# KiCad board hermod-left.kicad_pcb (continued)
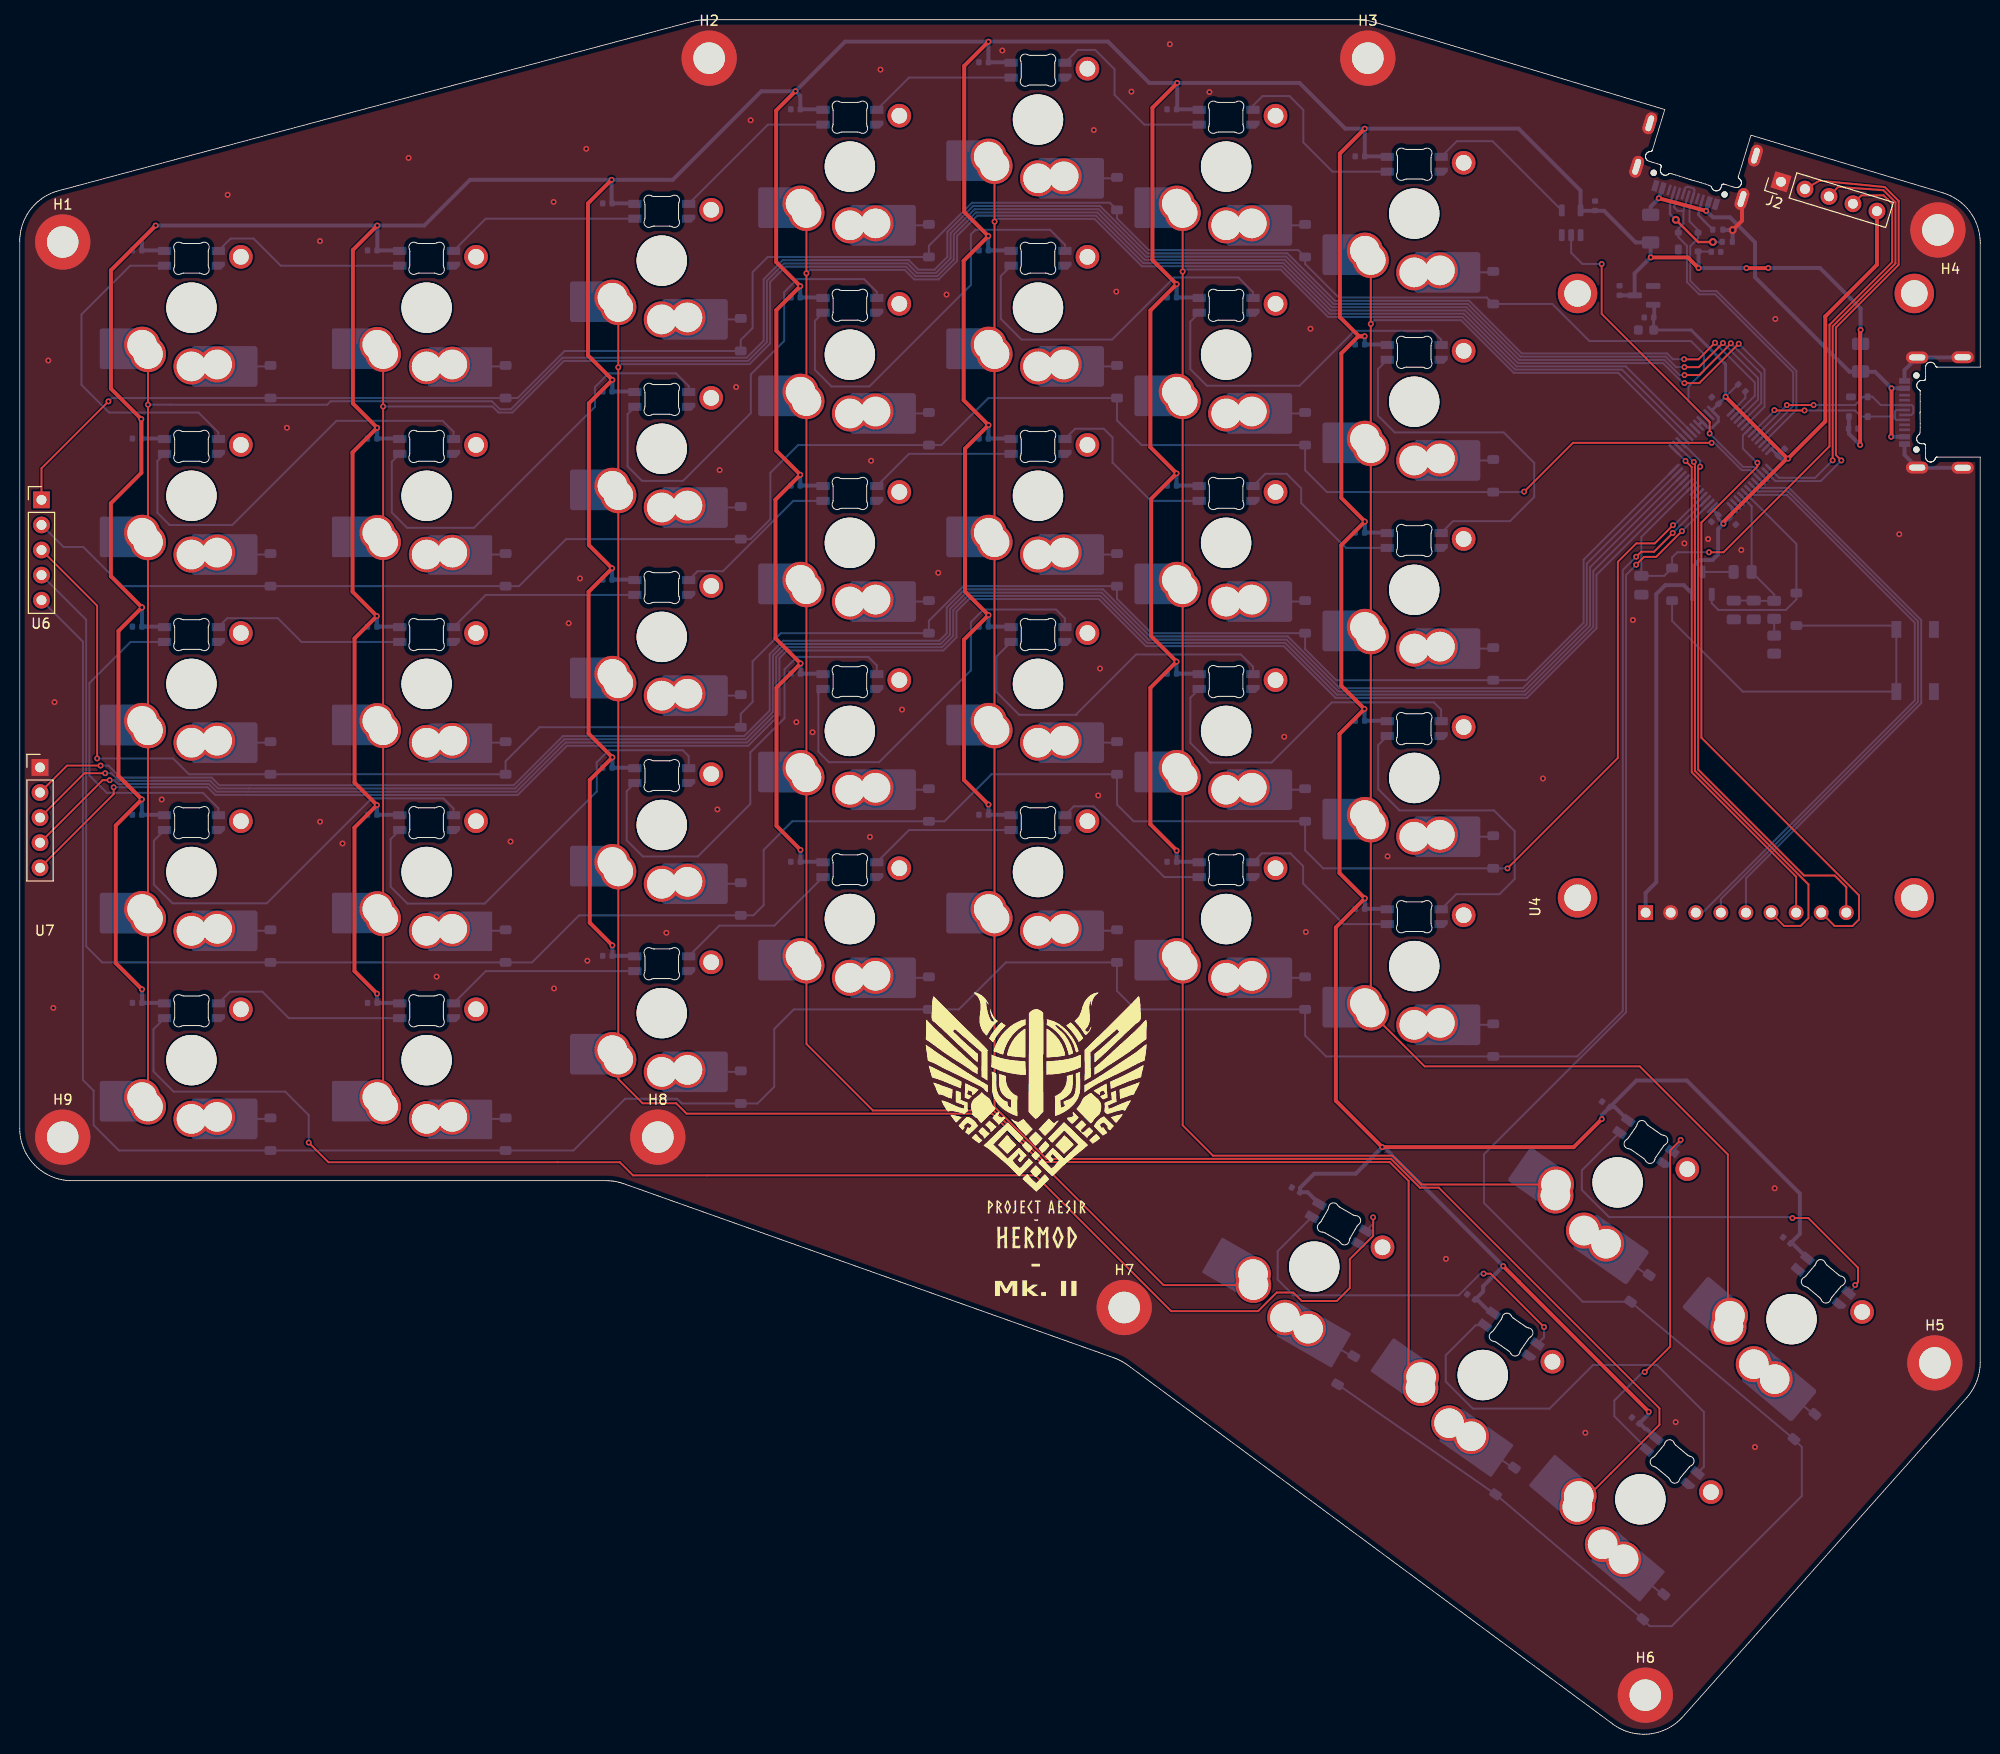
[diagram p0: board, top side]
## Footprints (pads in the part's own frame, mm; a bottom-side part is the same pattern mirrored in y, then rotated) (continued)

## Nets
+3V3: C101.1 C102.1 C103.1 C104.1 C105.1 C107.1 J2.5 Q3.2 R6.1 U1.1 U1.20 U1.21 U1.24 U1.36 U1.48 U3.2 U4.1
+5V: C1.1 C2.1 C3.1 C4.1 C5.1 C6.1 C7.1 C8.1 C9.1 C10.1 C11.1 C12.1 C13.1 C14.1 C15.1 C16.1 C17.1 C18.1 C19.1 C20.1 C21.1 C22.1 C23.1 C24.1 C25.1 C26.1 C27.1 C28.1 C29.1 C30.1 C31.1 C32.1 C33.1 C34.1 C35.1 C36.1 C37.1 C38.1 C39.1 C40.1 C55.1 C56.1 C106.1 C108.1 F1.2 F2.2 LED1.1 LED2.1 LED3.1 LED4.1 LED5.1 LED6.1 LED7.1 LED8.1 LED9.1 LED10.1 LED11.1 LED12.1 LED13.1 LED14.1 LED15.1 LED16.1 LED17.1 LED18.1 LED19.1 LED20.1 LED21.1 LED22.1 LED23.1 LED24.1 LED25.1 LED26.1 LED27.1 LED28.1 LED29.1 LED30.1 LED31.1 LED32.1 LED33.1 LED34.1 LED35.1 LED36.1 LED37.1 LED38.1 LED39.1 LED40.1 U2.4 U3.3 U5.4 U8.5
GND: C1.2 C2.2 C3.2 C4.2 C5.2 C6.2 C7.2 C8.2 C9.2 C10.2 C11.2 C12.2 C13.2 C14.2 C15.2 C16.2 C17.2 C18.2 C19.2 C20.2 C21.2 C22.2 C23.2 C24.2 C25.2 C26.2 C27.2 C28.2 C29.2 C30.2 C31.2 C32.2 C33.2 C34.2 C35.2 C36.2 C37.2 C38.2 C39.2 C40.2 C41.1 C42.1 C43.1 C55.2 C56.2 C101.2 C102.2 C103.2 C104.2 C105.2 C106.2 C107.2 C108.2 H1.1 H2.1 H3.1 H4.1 H5.1 H6.1 H7.1 H8.1 H9.1 J1.A1 J1.A12 J1.B1 J1.B12 J1.S1 J2.1 J3.A1 J3.A12 J3.B1 J3.B12 J3.S1 LED1.4 LED2.4 LED3.4 LED4.4 LED5.4 LED6.4 LED7.4 LED8.4 LED9.4 LED10.4 LED11.4 LED12.4 LED13.4 LED14.4 LED15.4 LED16.4 LED17.4 LED18.4 LED19.4 LED20.4 LED21.4 LED22.4 LED23.4 LED24.4 LED25.4 LED26.4 LED27.4 LED28.4 LED29.4 LED30.4 LED31.4 LED32.4 LED33.4 LED34.4 LED35.4 LED36.4 LED37.4 LED38.4 LED39.4 LED40.4 R1.1 R2.2 R9.2 RESET1.1 U1.19 U1.23 U1.35 U1.47 U2.1 U3.1 U4.2 U5.1 U7.1 U8.1 U8.3
VBUS: F1.1 F2.1 J1.A4 J1.A9 J1.B4 J1.B9 J3.A4 J3.A9 J3.B4 J3.B9
BOOT0: C41.2 C42.2 R7.2 R8.2 U1.45
BOOT0_CHRG: D40.2 Q3.1 U1.44
col0: CH1.1 CH8.1 CH15.1 CH22.1 CH29.1 U1.26
col1: CH2.1 CH9.1 CH16.1 CH23.1 CH30.1 U1.27
col2: CH3.1 CH10.1 CH17.1 CH24.1 CH31.1 CH36.1 U1.28
col3: CH4.1 CH11.1 CH18.1 CH25.1 CH32.1 CH37.1 U1.29
col4: CH5.1 CH12.1 CH19.1 CH26.1 CH33.1 CH38.1 U1.18
col5: CH6.1 CH13.1 CH20.1 CH27.1 CH34.1 CH39.1 U1.17
col6: CH7.1 CH14.1 CH21.1 CH28.1 CH35.1 CH40.1 U1.16
col7: U1.8 U7.5
col8: U1.9 U7.4
col9: U1.10 U7.3
col10: U1.11 U7.2
D+: J1.A6 J1.B6 U1.34 U2.3
D-: J1.A7 J1.B7 U1.33 U2.2
DOut1: LED1.2 LED8.3
DOut2: LED14.2 LED21.3
DOut3: LED15.2 LED22.3
DOut4: LED28.2 LED35.3
DOut5: LED29.2 LED36.3
HAND_PIN: R6.2 U1.25
LCD_BL_PWM: U1.30 U4.8
LCD_CS: U1.43 U4.3
LCD_DC: U1.41 U4.5
LCD_MISO: U1.15 U4.9
LCD_MOSI: U1.14 U4.6
LCD_RST: U1.42 U4.4
LCD_SCK: U1.13 U4.7
NRST: C43.2 D41.2 J2.4 U1.7
RGB3.3: U1.39 U8.2
RGB5v: LED7.3 U8.4
row0: D1.1 D2.1 D3.1 D4.1 D5.1 D6.1 D7.1 U1.22 U6.1
row1: D8.1 D9.1 D10.1 D11.1 D12.1 D13.1 D14.1 U1.40 U6.2
row2: D15.1 D16.1 D17.1 D18.1 D19.1 D20.1 D21.1 U1.12 U6.3
row3: D22.1 D23.1 D24.1 D25.1 D26.1 D27.1 D28.1 U1.4 U6.4
row4: D29.1 D30.1 D31.1 D32.1 D33.1 D34.1 D35.1 U1.3 U6.5
row5: D36.1 D37.1 D38.1 D39.1 D42.1 U1.2
SplitSerial-RX: J3.A7 J3.B7 U1.32 U5.2
SplitSerial-TX: J3.A6 J3.B6 U1.31 U5.3
SWCLK: J2.2 U1.38
SWD: J2.3 U1.37
Net-(D1-A): CH1.2 D1.2
Net-(D2-A): CH2.2 D2.2
Net-(D3-A): CH3.2 D3.2
Net-(D4-A): CH4.2 D4.2
Net-(D5-A): CH5.2 D5.2
Net-(D6-A): CH6.2 D6.2
Net-(D7-A): CH7.2 D7.2
Net-(D8-A): CH8.2 D8.2
Net-(D9-A): CH9.2 D9.2
Net-(D10-A): CH10.2 D10.2
Net-(D11-A): CH11.2 D11.2
Net-(D12-A): CH12.2 D12.2
Net-(D13-A): CH13.2 D13.2
Net-(D14-A): CH14.2 D14.2
Net-(D15-A): CH15.2 D15.2
Net-(D16-A): CH16.2 D16.2
Net-(D17-A): CH17.2 D17.2
Net-(D18-A): CH18.2 D18.2
Net-(D19-A): CH19.2 D19.2
Net-(D20-A): CH20.2 D20.2
Net-(D21-A): CH21.2 D21.2
Net-(D22-A): CH22.2 D22.2
Net-(D23-A): CH23.2 D23.2
Net-(D24-A): CH24.2 D24.2
Net-(D25-A): CH25.2 D25.2
Net-(D26-A): CH26.2 D26.2
Net-(D27-A): CH27.2 D27.2
Net-(D28-A): CH28.2 D28.2
Net-(D29-A): CH29.2 D29.2
Net-(D30-A): CH30.2 D30.2
Net-(D31-A): CH31.2 D31.2
Net-(D32-A): CH32.2 D32.2
Net-(D33-A): CH33.2 D33.2
Net-(D34-A): CH34.2 D34.2
Net-(D35-A): CH35.2 D35.2
Net-(D36-A): CH36.2 D36.2
Net-(D37-A): CH37.2 D37.2
Net-(D38-A): CH38.2 D38.2
Net-(D39-A): CH39.2 D39.2
Net-(D40-K): D40.1 D41.1 RESET1.2
Net-(D42-A): CH40.2 D42.2
Net-(J1-CC1): J1.A5 R1.2
Net-(J1-CC2): J1.B5 R2.1
Net-(LED1-DIN): LED1.3 LED2.2
Net-(LED2-DIN): LED2.3 LED3.2
Net-(LED3-DIN): LED3.3 LED4.2
Net-(LED4-DIN): LED4.3 LED5.2
Net-(LED5-DIN): LED5.3 LED6.2
Net-(LED6-DIN): LED6.3 LED7.2
Net-(LED8-DOUT): LED8.2 LED9.3
Net-(LED10-DIN): LED9.2 LED10.3
Net-(LED10-DOUT): LED10.2 LED11.3
Net-(LED11-DOUT): LED11.2 LED12.3
Net-(LED12-DOUT): LED12.2 LED13.3
Net-(LED13-DOUT): LED13.2 LED14.3
Net-(LED15-DIN): LED15.3 LED16.2
Net-(LED16-DIN): LED16.3 LED17.2
Net-(LED17-DIN): LED17.3 LED18.2
Net-(LED18-DIN): LED18.3 LED19.2
Net-(LED19-DIN): LED19.3 LED20.2
Net-(LED20-DIN): LED20.3 LED21.2
Net-(LED22-DOUT): LED22.2 LED23.3
Net-(LED23-DOUT): LED23.2 LED24.3
Net-(LED24-DOUT): LED24.2 LED25.3
Net-(LED25-DOUT): LED25.2 LED26.3
Net-(LED26-DOUT): LED26.2 LED27.3
Net-(LED27-DOUT): LED27.2 LED28.3
Net-(LED29-DIN): LED29.3 LED30.2
Net-(LED30-DIN): LED30.3 LED31.2
Net-(LED31-DIN): LED31.3 LED32.2
Net-(LED32-DIN): LED32.3 LED33.2
Net-(LED33-DIN): LED33.3 LED34.2
Net-(LED34-DIN): LED34.3 LED35.2
Net-(LED36-DOUT): LED36.2 LED37.3
Net-(LED37-DOUT): LED37.2 LED38.3
Net-(LED38-DOUT): LED38.2 LED39.3
Net-(LED39-DOUT): LED39.2 LED40.3
Net-(Q3-C): Q3.3 R7.1
Net-(R8-Pad1): R8.1 R9.1

Pads without a net: CH1 MP; CH2 MP; CH3 MP; CH4 MP; CH5 MP; CH6 MP; CH7 MP; CH8 MP; CH9 MP; CH10 MP; CH11 MP; CH12 MP; CH13 MP; CH14 MP; CH15 MP; CH16 MP; CH17 MP; CH18 MP; CH19 MP; CH20 MP; CH21 MP; CH22 MP; CH23 MP; CH24 MP; CH25 MP; CH26 MP; CH27 MP; CH28 MP; CH29 MP; CH30 MP; CH31 MP; CH32 MP; CH33 MP; CH34 MP; CH35 MP; CH36 MP; CH37 MP; CH38 MP; CH39 MP; CH40 MP; J1 A8 B8; J3 A5 A8 B5 B8; LED40 2; U1 5 6 46

## Via types
v1: diameter 0.6, hole 0.3, Top to Bottom, 158 vias
v2: diameter 0.8, hole 0.4, Top to Bottom, 3 vias

## Routing (per net, layer and track width the routed paths; a pad name or vN(x,y) marks a point on that pad's centre or on a via; arc(x,y) is an arc through that point)
+3V3: length 122.1
  Top w0.3: v1(172.52,122.59) 172.52,122.78
  Top w0.4: v1(172.74,135.45) 179.01,129.18 v1(179.06,129.18) ; 172.52,122.78 178.92,129.18 v1(179.06,129.18) ; J2.5 188.07,148.81 182.83,143.58 182.83,132.95 v1(179.06,129.18)
  Bottom w0.2: 173.11,123.17 173.1,123.17 ; v1(172.74,135.45) 173.99,136.7 R6.1
  Bottom w0.3: U1.20 U1.21 170.97,132.31 171.37,132.31 172,132.94 172,133.39 U1.24 171.41,134.12 C105.1 v1(172.74,135.45) 172.74,135.45 172.74,138.72 169.25,142.21 C101.1 165.46,143.46 165.46,143.47 ; 173.1,123.17 v1(172.52,122.59) 171.99,123.12 C103.1 171.41,124.04 U1.1 ; C102.1 177.44,130.09 U1.36 ; 173.11,123.17 173.41,123.46 U1.48
  Bottom w0.4: U4.1 164.64,85.21 165.72,86.29 165.72,115.46 166.63,116.37 168.51,116.37 Q3.2 169.44,118.27 170.08,118.91 171.42,118.91 171.98,119.47 171.98,122.05 v1(172.52,122.59) ; C102.1 178.36,129.18 v1(179.06,129.18) ; 165.51,143.47 165.51,144.66 U3.2
+5V: length 1106.4
  Top w0.2: 177.05,148.48 v1(177.06,148.49) ; 186.36,142.17 v1(186.41,142.22)
  Top w0.4: v1(165.16,149.56) 168.92,149.56 v1(170,148.48) ; v1(59.93,157.42) 57.54,155.03 57.54,139.63 v1(60.01,137.16) 57.63,134.78 57.63,120.43 v1(59.98,118.08) 57.6,115.7 57.6,101.34 v1(60.01,98.93) 57.72,96.64 57.72,82.18 v1(60.01,79.89) ; v1(98.1,94.15) 95.61,96.64 95.61,110.85 v1(98.1,113.34) 95.72,115.72 95.72,130.2 v1(98.1,132.58) 95.58,135.1 95.58,149.22 v1(98.08,151.72) 95.64,154.16 95.64,168.96 v1(98.09,171.41) ; v1(136.2,162.6) 133.68,160.08 133.68,143.51 135.61,141.58 v1(136.19,141.58) 135.56,141.58 133.82,139.84 133.82,125.2 v1(136.21,122.81) 133.82,120.42 133.82,106.18 v1(136.17,103.83) 133.64,101.3 133.64,87.22 v1(136.21,84.65) 133.27,81.71 133.27,64.16 v1(137.97,59.46) 157.36,59.46 v1(160.2,62.3) ; v1(117.15,89.49) 114.49,92.15 114.49,105.98 v1(117.14,108.63) 114.57,111.2 114.57,125.12 v1(117.14,127.69) 114.49,130.34 114.49,144.19 v1(117.15,146.85) 114.7,149.3 114.7,164.72 v1(117.21,167.23) ; v1(79.06,89.56) 76.63,91.99 76.63,106 v1(79.07,108.44) 76.52,110.99 76.52,125.03 v1(79.04,127.55) 76.61,129.98 76.61,144.22 v1(79.04,146.65) 76.59,149.1 76.59,164.43 v1(78.56,166.39) ; v1(36.21,152.79) 33.73,150.31 33.73,134.77 v1(36.19,132.31) 33.7,129.82 33.7,115.7 v1(36.16,113.24) 33.9,110.98 33.9,96.37 v1(36.17,94.1) 33.89,91.82 33.89,77.29 v1(36.18,75) ; v1(186.36,130.57) 186.36,142.17 ; v1(150.22,47.41) 151.81,45.82 151.81,45.81 v1(164.96,32.66) ; v1(13.76,152.79) 9.23,148.26 9.23,136.27 v1(12.31,133.19) 12.31,127.75 9.22,124.66 9.22,117.27 v1(12.37,114.12) 9.99,111.74 9.99,97.05 v1(12.36,94.68) 9.72,92.04 9.72,78.1 v1(12.38,75.44) ; v1(174.85,148.48) 177.05,148.48
  Bottom w0.2: 171.22,150.14 U2.4 170,150.12 ; 165.15,149.57 v1(165.16,149.56) ; 158.09,154.28 U8.5 ; 136.24,159.74 C7.1 ; 138.44,159.79 LED7.1
  Bottom w0.4: LED21.1 138.44,121.69 C21.1 136.21,121.71 v1(136.21,122.81) ; v1(60.01,137.16) 60.01,136 C10.1 62.24,135.98 LED10.1 ; v1(117.15,146.85) 117.15,145.51 C13.1 119.39,145.5 LED13.1 ; v1(36.18,75) 36.18,74.07 C30.1 38.42,74.07 LED30.1 ; v1(117.14,127.69) C20.1 119.39,126.45 LED20.1 ; LED1.1 14.61,150.27 C1.1 12.37,151.4 13.75,152.79 v1(13.76,152.79) v1(36.21,152.79) ; LED15.1 14.61,112.17 C15.1 12.37,112.17 v1(12.37,114.12) ; v1(59.93,157.42) 45.6,157.42 40.97,152.79 v1(36.21,152.79) ; v1(59.93,157.42) 66.13,157.42 75.09,166.38 78.54,166.38 v1(78.56,166.39) ; v1(59.93,157.42) 59.93,155.09 C3.1 62.24,155.03 LED3.1 ; LED18.1 81.29,126.45 C18.1 v1(79.04,127.55) ; v1(117.21,167.23) 114.38,167.23 110.19,171.42 98.11,171.42 98.1,171.41 v1(98.09,171.41) ; v1(117.21,167.23) 117.21,164.62 C6.1 119.39,164.55 LED6.1 ; v1(117.21,167.23) 129.6,167.23 134.23,162.6 v1(136.2,162.6) ; LED16.1 38.42,112.17 C16.1 36.16,112.18 v1(36.16,113.24) ; 100.39,150.22 100.34,150.27 C12.1 98.08,150.28 v1(98.08,151.72) ; v1(60.01,79.89) 60.01,78.85 C31.1 62.24,78.83 LED31.1 ; U5.4 185.23,131.7 v1(186.36,130.57) ; v1(36.19,132.31) 36.19,131.23 C9.1 38.42,131.22 LED9.1 ; v1(98.09,171.41) 83.57,171.41 v1(78.56,166.39) ; v1(98.09,171.41) C5.1 100.34,169.32 100.39,169.27 ; LED17.1 62.24,116.93 C17.1 59.98,116.94 v1(59.98,118.08) ; LED22.1 14.61,93.12 C22.1 12.36,93.12 v1(12.36,94.68) ; F2.2 v1(186.41,142.22) 186.41,144.38 182.3,148.49 v1(177.06,148.49) ; v1(136.19,141.58) C14.1 138.44,140.74 LED14.1 ; 158.09,154.28 160.43,154.28 163.63,151.08 F1.2 165.15,149.57 163.53,147.94 U3.3 161.99,145.71 ; v1(78.56,166.39) 79.04,165.91 C4.1 81.29,164.55 LED4.1 ; v1(36.21,152.79) 36.21,150.3 C2.1 38.42,150.27 LED2.1 ; LED24.1 62.24,97.88 C24.1 60.01,97.9 v1(60.01,98.93) ; v1(136.2,162.6) 136.2,159.8 C7.1 138.44,159.79 ; v1(136.2,162.6) 151.78,162.6 158.05,156.33 U8.5 ; LED11.1 81.29,145.5 C11.1 v1(79.04,146.65) ; LED39.1 161.52,63.51 C39.1 ; LED34.1 119.39,88.35 C34.1 117.15,88.36 v1(117.15,89.49) ; 170,150.12 v1(170,148.48) v1(174.85,148.48) ; v1(160.2,62.3) 160.2,62.69 C39.1 ; v1(79.06,89.56) 79.06,88.37 C32.1 81.29,88.35 LED32.1 ; LED35.1 138.44,83.59 C35.1 136.21,83.61 v1(136.21,84.65) ; LED8.1 14.61,131.22 C8.1 12.31,131.27 v1(12.31,133.19) ; v1(12.38,75.44) 12.38,74.08 C29.1 14.61,74.07 LED29.1 ; v1(164.96,32.66) 164.96,32.43 C38.1 164.06,31.46 164.63,30.9 164.77,30.9 LED38.1 ; C39.1 163.72,66.21 168.81,66.21 180.26,54.76 180.26,50.66 C40.1 179.51,49.7 LED40.1 ; 100.39,131.17 100.34,131.22 C19.1 98.1,131.23 v1(98.1,132.58) ; LED25.1 81.29,107.4 C25.1 79.07,107.43 v1(79.07,108.44) ; v1(36.17,94.1) 36.17,93.12 C23.1 38.42,93.12 LED23.1 ; v1(98.1,94.15) 98.1,93.13 C33.1 100.34,93.12 100.39,93.07 ; LED28.1 138.44,102.64 C28.1 136.17,102.66 v1(136.17,103.83) ; LED36.1 130.42,54.89 C36.1 129.64,55.33 131.08,56.77 135.28,56.77 v1(137.97,59.46) 138.17,59.46 v1(150.22,47.41) 148.19,45.38 148.19,44.83 C37.1 147.59,44.01 148.95,42.65 LED37.1 ; v1(117.14,108.63) C27.1 119.39,107.4 LED27.1 ; 100.39,112.12 100.34,112.17 C26.1 98.1,112.18 v1(98.1,113.34)
GND: length 20.8
  Top w0.4: J1.S1 174.4,153.28 v2(173.45,152.33)
  Bottom w0.2: 161.98,146.66 161.98,146.67 ; 192.16,128.26 J3.S1
  Bottom w0.4: R1.1 173.45,151.17 v2(173.45,152.33) 172.5,152.33 R2.2 ; J3.S1 196.72,139.43 J3.S1 190.86,138.15 J3.A1 ; J3.S1 192.16,128.26 ; J3.S1 190.86,129.56 J3.A12
  vias: v1(2.89,139.12) v1(3.4,73.56) v1(3.52,104.52) v1(14.37,94.66) v1(21.05,155.9) v1(27.05,132.31) v1(30.4,151.21) v1(30.41,92.42) v1(32.68,90.21) v1(39.37,159.63) v1(42.21,76.73) v1(49.7,90.41) v1(54.06,155.18) v1(54.1,75.53) v1(55.58,112.51) v1(56.73,117.05) v1(57.37,160.56) v1(57.48,78.34) v1(65.48,81.17) v1(70.65,93.66) v1(70.87,128.02) v1(72.54,136.43) v1(74.01,163.45) v1(78.64,102.5) v1(80.28,101.47) v1(86.09,90.88) v1(86.21,128.97) v1(87.16,168.58) v1(89.34,103.77) v1(93.01,117.63) v1(93.85,145.8) v1(99.5,170.51) v1(108.76,162.46) v1(109.21,95.07) v1(109.39,107.93) v1(111.04,146.1) v1(112.57,166.35) v1(116.46,171.15) v1(120.47,166.3) v1(128.05,101.02) v1(130.23,81.25) v1(130.7,142.34) v1(138.51,88.91) v1(144.42,48.15) v1(154.25,96.79) v1(158.54,30.54) v1(163.35,112.84) v1(167.68,31.61) v1(168.57,120.6) v1(170.97,121.04) v1(174.33,119.93) v1(175.71,29.09) v1(177.71,55.29) v1(177.78,143.33) v1(190.33,121.53)
VBUS: length 44.9
  Top w0.2: v1(189.5,131.4) 189.55,131.44
  Top w0.4: 189.55,131.44 v1(189.55,136.3) ; v1(165.98,155.55) v1(170.77,154.27)
  Bottom w0.2: 189.51,131.4 v1(189.5,131.4)
  Bottom w0.4: J1.A4 v1(165.98,155.55) 165.96,155.51 165.15,154.7 F1.1 ; J3.A4 v1(189.55,136.3) 187.87,137.98 185.29,137.98 175.72,147.55 175.72,151.08 173.19,153.62 171.48,153.62 v1(170.77,154.27) J1.A9 ; J3.A9 189.51,131.4
BOOT0: length 15.9
  Bottom w0.2: C42.2 173.58,114.81 C41.2 175.62,114.78 R8.2 177.66,115.42 R7.2 175.37,124.33 175.39,124.35 U1.45
BOOT0_CHRG: length 23
  Bottom w0.2: Q3.1 171.34,114.53 172.01,113.86 178.84,113.86 179.91,114.93 D40.2 179.91,120.54 U1.44
col0: length 266.7
  Top w0.2: v1(171.67,140.92) 169.99,139.24 168.55,139.24 v1(168.54,139.25) ; CH1.1 v1(12.99,134.65) CH8.1 CH15.1 CH22.1 CH29.1
  Bottom w0.2: v1(171.67,140.92) 175.7,136.89 175.7,135.54 173.79,133.63 U1.26 ; v1(168.54,139.25) 167.4,139.25 166.81,139.84 152.1,139.84 146.77,145.17 133.17,145.17 128.37,149.97 114.19,149.97 109.39,154.77 96.56,154.77 93.93,152.14 93.93,149.61 92.64,148.32 90.98,148.32 90.02,149.28 77.26,149.28 75.33,147.35 75.33,141.12 73.62,139.4 54.96,139.4 49.74,134.18 48.62,134.18 47.81,134.99 37.02,134.99 37.02,134.99 36.58,134.99 31.48,134.99 31.13,134.64 15.29,134.64 15.28,134.65 v1(12.99,134.65)
col1: length 244.1
  Top w0.2: v1(168.57,138.45) 170.03,138.45 v1(172.47,140.89) ; CH2.1 v1(36.8,134.46) CH9.1 CH16.1 CH23.1 CH30.1
  Bottom w0.2: U1.27 174.15,133.28 176.03,135.16 176.03,137.34 172.48,140.89 v1(172.47,140.89) ; v1(168.57,138.45) 167.74,138.45 166.68,139.51 151.97,139.51 146.63,144.84 133.03,144.84 128.23,149.64 114.05,149.64 109.25,154.44 96.69,154.44 94.26,152.01 94.26,149.47 92.78,147.99 90.85,147.99 89.89,148.95 77.4,148.95 75.66,147.21 75.66,140.98 73.75,139.07 55.1,139.07 49.87,133.85 48.49,133.85 47.87,134.46 v1(36.8,134.46)
col2: length 294.4
  Top w0.2: v1(173.27,140.86) 173.27,140.83 170.08,137.65 v1(168.58,137.65) ; CH36.1 115.82,45.48 98.46,62.85 67.52,62.85 66.47,63.9 63.07,63.9 60.61,66.36 CH31.1 CH24.1 CH17.1 CH10.1 v1(60.61,138.43) CH3.1
  Bottom w0.2: v1(173.27,140.86) 176.35,137.78 176.35,134.81 U1.28 ; v1(168.58,137.65) 168.07,137.65 166.54,139.18 151.83,139.18 146.5,144.51 132.9,144.51 128.1,149.31 113.91,149.31 109.11,154.11 96.83,154.11 94.59,151.87 94.59,149.33 92.91,147.66 90.71,147.66 89.75,148.62 77.53,148.62 75.99,147.07 75.99,140.84 73.89,138.74 60.93,138.74 v1(60.61,138.43)
col3: length 290.2
  Top w0.2: v1(168.58,136.82) 170.08,136.82 v1(174.07,140.82) ; CH4.1 v1(79.66,147.95) CH11.1 CH18.1 CH25.1 CH32.1 79.66,69.91 86.39,63.17 98.6,63.17 103.83,57.94 138.73,57.94 140.64,56.03 140.64,36.26 CH37.1
  Bottom w0.2: v1(168.58,136.82) 168.43,136.82 166.4,138.85 151.69,138.85 146.36,144.18 132.76,144.18 127.96,148.98 113.78,148.98 108.98,153.78 96.97,153.78 94.92,151.73 94.92,149.2 93.05,147.33 90.57,147.33 89.62,148.29 80.01,148.29 v1(79.66,147.95) ; v1(174.07,140.82) 176.68,138.2 176.68,134.43 U1.29
col4: length 268.3
  Top w0.2: CH5.1 v1(98.71,153.19) CH12.1 CH19.1 CH26.1 CH33.1 98.71,63.52 103.97,58.27 138.87,58.27 141.79,55.35 143.7,55.35 166.04,33.01 166.04,31.34 161.11,26.4 161.1,26.4 CH38.1
  Bottom w0.2: v1(98.71,153.19) 98.98,153.46 108.84,153.46 113.64,148.66 127.83,148.66 132.63,143.86 146.23,143.86 151.56,138.52 162.63,138.52 U1.18
col5: length 190.9
  Top w0.2: CH6.1 v1(117.76,148.13) CH13.1 CH20.1 CH27.1 CH34.1 117.76,61.67 120.83,58.6 139.01,58.6 141.93,55.68 CH39.1
  Bottom w0.2: v1(117.76,148.13) 117.96,148.33 127.69,148.33 132.49,143.53 146.09,143.53 151.42,138.2 162.25,138.2 U1.17
col6: length 172.7
  Top w0.2: CH7.1 v1(136.81,142.82) CH14.1 CH21.1 CH28.1 CH35.1 142.27,67.64 164.05,67.64 172.97,58.72 172.97,41.32 CH40.1
  Bottom w0.2: v1(136.81,142.82) 137.2,143.2 145.96,143.2 151.29,137.87 161.87,137.87 U1.16
col7: length 200.4
  Top w0.2: v1(9.51,95.9) 9.51,95.21 U7.5
  Bottom w0.2: v1(9.51,95.9) 19.02,95.9 19.79,95.13 22.98,95.13 22.98,95.12 50.43,95.12 55.41,100.1 73.77,100.1 76.93,103.26 76.93,108.97 77.71,109.75 93.52,109.75 94.86,111.09 94.86,113.69 96.12,114.95 109.29,114.95 114.05,110.19 128,110.19 133.24,104.95 152.62,104.95 159.67,112 159.67,117.42 U1.8
col8: length 199.2
  Top w0.2: v1(9.11,96.62) 8.38,96.62 U7.4
  Bottom w0.2: v1(9.11,96.62) 9.54,96.62 9.93,96.22 19.16,96.22 19.93,95.45 23.12,95.45 23.12,95.45 50.29,95.45 55.27,100.43 73.64,100.43 76.6,103.39 76.6,109.11 77.57,110.08 93.38,110.08 94.53,111.22 94.53,113.83 95.98,115.28 109.42,115.28 114.19,110.52 128.14,110.52 133.38,105.28 152.48,105.28 159.34,112.14 159.34,117.8 U1.9 168.59,127.03
col9: length 198.4
  Top w0.2: v1(8.65,97.32) 6.55,97.32 U7.3
  Bottom w0.2: U1.10 159.02,118.18 159.02,112.28 152.35,105.61 133.51,105.61 128.27,110.85 114.32,110.85 109.56,115.61 95.84,115.61 94.2,113.97 94.2,111.36 93.25,110.41 77.43,110.41 76.27,109.25 76.27,103.53 73.5,100.76 55.14,100.76 50.16,95.78 23.26,95.78 23.25,95.78 20.06,95.78 19.29,96.55 10.07,96.55 9.3,97.32 v1(8.65,97.32)
col10: length 197.6
  Top w0.2: U7.2 4.78,98.1 v1(8.18,98.1)
  Bottom w0.2: v1(8.18,98.1) 8.99,98.1 10.2,96.88 19.43,96.88 20.2,96.11 23.39,96.11 23.39,96.11 50.02,96.11 55,101.09 73.37,101.09 75.94,103.66 75.94,109.38 77.3,110.74 93.11,110.74 93.87,111.5 93.87,114.1 95.71,115.94 109.7,115.94 114.46,111.18 128.41,111.18 133.65,105.94 152.21,105.94 158.69,112.41 158.69,118.55 U1.11
D+: length 34.8
  Bottom w0.2: U2.3 169.95,152.34 169.09,153.2 169.09,154.58 J1.B6 ; 169.41,155.66 169.6,156.37 169.51,156.53 168.9,156.72 168.65,156.62 168.45,155.95 ; 169.95,152.02 169.95,151.49 169.16,150.69 169.16,147.19 170.2,146.15 171.82,146.15 179.91,138.06 179.91,134.12 U1.34
D-: length 34.7
  Bottom w0.2: U1.33 179.58,134.5 179.58,137.92 171.69,145.82 170.07,145.82 168.83,147.05 168.83,150.74 167.95,151.62 U2.2 167.95,152.46 168.47,152.98 168.47,154.26 168.46,154.27 ; 168.46,154.27 168.57,154.67 J1.A7 ; 168.46,154.27 167.89,154.27 167.51,154.64 167.51,154.67 J1.B7
DOut1: length 34.1
  Bottom w0.2: LED8.3 20.11,131.84 18.1,133.85 9.05,133.85 6.25,136.65 6.25,143.79 11.18,148.72 LED1.2
DOut2: length 38.2
  Bottom w0.2: LED21.3 145.14,122.85 150.91,122.85 153.36,125.3 153.36,128.75 150.27,131.84 139.23,131.84 137.54,133.53 137.54,138.25 LED14.2
DOut3: length 33.8
  Bottom w0.2: LED15.2 11.22,110.62 7.05,106.45 7.05,97.1 8.81,95.34 18.55,95.34 20.11,93.78 LED22.3
DOut4: length 34.9
  Bottom w0.2: LED35.3 145.46,85.07 149.83,85.07 151.38,86.62 151.38,91.46 149.28,93.56 139.72,93.56 137.56,95.72 137.56,100.17 LED28.2
DOut5: length 150.2
  Top w0.2: v1(137.05,52.35) 137.05,50.49 134.69,48.12 134.69,45.19 133.37,43.88 129.82,43.88 128.96,44.74 127.29,44.74 125.4,42.85 116.6,42.85 102.85,56.6 62.1,56.6 60.77,57.93 31.25,57.93 v1(29.26,59.92)
  Bottom w0.2: v1(29.26,59.92) 29.26,62.7 26.88,65.08 15.58,65.08 13.54,67.12 13.54,71.4 LED29.2 ; v1(137.05,52.35) 137.05,51.7 LED36.3
HAND_PIN: length 2.6
  Bottom w0.2: R6.2 174.74,135.32 U1.25 173.43,133.98
LCD_BL_PWM: length 64.3
  Top w0.2: v1(175.96,128.77) 175.96,128.77 175.96,128.38 170.29,122.71 170.29,100.92 186.25,84.96 186.25,82.51 185.59,81.85 183.78,81.85 U4.8
  Bottom w0.2: v1(175.96,128.77) 175.92,128.77 174.49,130.2 174.49,131.53 175.17,132.22 U1.30
LCD_CS: length 61.2
  Bottom w0.2: U1.43 175.65,125.51 178.94,125.51 191.9,112.55 191.9,104.69 170.42,83.21 U4.3
LCD_DC: length 59.4
  Bottom w0.2: U4.5 174.8,86.67 192.55,104.42 192.55,112.83 179.16,126.22 176.35,126.22 U1.41
LCD_MISO: length 56.6
  Top w0.2: v1(170.17,128.37) 169.96,128.17 169.96,97.69 180.69,86.96 183.78,86.96 184.96,85.79 U4.9
  Bottom w0.2: U1.15 168.32,130.8 170.17,128.95 v1(170.17,128.37)
LCD_MOSI: length 58
  Top w0.2: v1(169.52,128.85) 169.64,128.74 169.64,97.55 181.13,86.06 181.13,82.65 180.34,81.86 178.66,81.86 177.34,83.18 U4.6
  Bottom w0.2: v1(169.52,128.85) 167.93,130.45 U1.14
LCD_RST: length 60.1
  Bottom w0.2: U1.42 176,125.86 179.05,125.86 192.23,112.69 192.23,104.55 172.26,84.59 U4.4
LCD_SCK: length 52
  Top w0.2: v1(168.68,128.95) 169.31,128.32 169.31,97.42 179.88,86.85 U4.7
  Bottom w0.2: v1(168.68,128.95) 167.53,130.09 U1.13
NRST: length 68.1
  Top w0.2: v1(171.06,119.7) 172.53,119.7 183.26,130.42 183.26,142.73 189.61,149.08 189.61,154.97 189.15,155.42 189.15,155.42 188.73,155.84 186.49,155.84 J2.4
  Bottom w0.2: v1(171.06,119.7) 167.85,119.7 167.32,119.17 D41.2 166.53,117.31 C43.2 164.21,121.25 U1.7
RGB3.3: length 34.3
  Top w0.2: v1(171.13,131.73) 171.13,132.9 160.19,143.84 v1(160.19,148.89)
  Bottom w0.2: U1.39 175.64,128.34 174.51,128.34 v1(171.13,131.73) ; v1(160.19,148.89) 160.18,148.9 158.23,148.9 157.1,150.03 U8.2
RGB5v: length 15.8
  Bottom w0.2: U8.4 149.14,161.33 145.52,161.33 LED7.3
row0: length 202
  Top w0.2: U6.1 2.2,128.2 v1(8.98,134.98)
  Bottom w0.2: v1(8.98,134.98) 9.32,135.32 D1.1 ; 25.89,135.32 50.41,135.32 55.17,140.08 D3.1 73.01,141.21 74.21,142.41 74.21,148.07 75.75,149.6 D4.1 92.06,150.74 96.42,155.1 110.38,155.1 D5.1 111.11,153.51 114.32,150.3 129.47,150.3 D6.1 130.16,148.9 133.56,145.5 148.56,145.5 D7.1 155.2,144.84 158.95,141.09 169.23,141.09 170.54,139.78 170.54,138.05 168.98,136.49 168.98,135 U1.22 170.71,133.3
row1: length 197.6
  Top w0.2: v1(171.33,130.78) 157.29,130.78 v1(152.34,125.84)
  Bottom w0.2: v1(171.33,130.78) 171.33,130.79 171.61,130.79 174.38,128.01 175.26,128.01 U1.40 ; v1(152.34,125.84) 152.3,125.79 D14.1 132.38,125.79 130.16,128.01 D13.1 113.6,130.55 111.11,133.05 D12.1 98.09,135.32 93.33,130.55 D11.1 78.82,130.55 76.01,127.75 76.01,123.05 73.99,121.03 D10.1 55.32,121.03 50.56,116.27 D9.1 D8.1 10.4,116.27 6.44,120.23 4.44,120.23 U6.2
row2: length 214.6
  Top w0.2: U6.3 7.84,114.29 v1(7.84,98.82)
  Bottom w0.2: U1.12 158.36,118.93 158.36,112.55 152.55,106.74 D21.1 133.31,106.74 130.16,109.89 D20.1 114.59,111.5 111.11,114.99 D19.1 95.57,116.27 92.06,112.76 D18.1 77.07,111.5 74.21,108.65 74.21,104.54 73.01,103.34 D17.1 52.63,101.98 49.2,98.54 D16.1 D15.1 17.13,97.22 15.53,98.82 v1(7.84,98.82)
row3: length 249.6
  Top w0.2: v1(167.41,122.44) 165.57,120.6 163.7,120.6 161.83,118.73 161.83,98.87 v1(150.65,87.69)
  Bottom w0.2: v1(167.41,122.44) 167.53,122.44 U1.4 ; v1(150.65,87.69) 149.22,87.69 149.21,87.69 131.99,87.69 130.16,89.52 D27.1 112.8,92.45 111.11,94.15 D26.1 98.4,97.22 93.64,92.45 D25.1 78.23,92.45 75.33,89.56 75.33,83.97 74.29,82.93 D24.1 56.64,82.93 51.88,78.17 D23.1 D22.1 8.34,78.17 6.72,79.78 6.72,112.86 U6.4
row4: length 288
  Top w0.2: v1(163.69,119.25) 164.19,119.75 165.49,119.75 v1(167.39,121.64)
  Bottom w0.2: v1(163.69,119.25) 162.33,117.89 162.33,73.25 157.72,68.64 D35.1 132.28,68.64 130.16,70.76 D34.1 112.97,73.4 111.11,75.27 D33.1 99.86,78.17 95.1,73.4 D32.1 78.39,73.4 76.4,71.42 76.4,65.57 74.71,63.88 D31.1 67.04,63.88 66.56,64.36 61.3,64.36 56.06,59.12 D30.1 D29.1 10.04,59.12 7.48,61.68 7.48,65.17 6.4,66.25 6.4,110.65 U6.5 ; v1(167.39,121.64) 170.66,124.91 U1.3
row5: length 188.5
  Top w0.2: v1(163.69,118.44) 164.48,119.23 165.71,119.23 v1(168.32,121.84)
  Bottom w0.2: v1(163.69,118.44) 163.69,118.42 162.66,117.39 162.66,73.11 148.27,58.73 148.27,53.8 158.27,43.8 D39.1 D42.1 180.46,29.09 180.46,24.14 167.27,10.95 165.06,10.95 D38.1 D37.1 D36.1 ; v1(168.32,121.84) 171.05,124.56 U1.2
SplitSerial-RX: length 19.6
  Top w0.2: v1(178.94,134.61) v1(181.65,134.61)
  Bottom w0.2: v1(178.94,134.61) 175.89,131.55 U1.32 ; v1(181.65,134.61) 185.85,134.61 186.69,135.45 187.61,135.45 188.46,134.6 J3.B7 191.6,134.6 191.75,134.45 191.75,133.8 191.56,133.6 J3.A7
SplitSerial-TX: length 18
  Top w0.2: v1(177.68,134.09) 177.71,134.06 v1(180.73,134.06)
  Bottom w0.2: U1.31 177.68,134.01 v1(177.68,134.09) ; v1(180.73,134.06) 185.85,134.06 186.46,133.45 189.9,133.45 ; 190.67,134.11 190.03,134.11 189.9,133.97 189.9,133.45 ; 189.9,133.45 189.9,133.23 190.02,133.11 190.67,133.11
SWCLK: length 48.2
  Top w0.2: J2.2 182.24,157.33 188.86,156.69 190.27,155.28 190.27,148.81 183.91,142.45 183.91,129.54 v1(184.46,129)
  Bottom w0.2: v1(184.46,129) 182.38,126.91 177.78,126.91 U1.38
SWD: length 43.8
  Top w0.2: v1(183.58,129.01) 183.59,129.01 183.59,142.59 189.94,148.94 189.94,155.15 188.73,156.36 184.13,156.7 J2.3
  Bottom w0.2: U1.37 178.16,127.24 181.81,127.24 v1(183.58,129.01)
Net-(D1-A): length 5.2
  Bottom w0.2: 20.71,138.52 25.79,138.52 25.89,138.62
Net-(D2-A): length 5.2
  Bottom w0.2: 49.7,138.62 49.6,138.52 44.52,138.52
Net-(D3-A): length 5.2
  Bottom w0.2: 68.33,143.28 73.41,143.28 73.51,143.38
Net-(D4-A): length 5.2
  Bottom w0.2: 92.56,152.9 92.46,152.81 87.38,152.81
Net-(D5-A): length 5.2
  Bottom w0.2: 106.43,157.57 111.51,157.57 111.61,157.67
Net-(D6-A): length 5.2
  Bottom w0.2: 130.66,152.9 130.56,152.81 125.48,152.81
Net-(D7-A): length 5.2
  Bottom w0.2: 144.53,148.04 149.61,148.04 149.71,148.14
Net-(D8-A): length 5.2
  Bottom w0.2: 25.89,119.57 25.79,119.47 20.71,119.47
Net-(D9-A): length 5.2
  Bottom w0.2: 49.7,119.57 49.6,119.47 44.52,119.47
Net-(D10-A): length 5.2
  Bottom w0.2: 73.51,124.33 73.41,124.23 68.33,124.23
Net-(D11-A): length 5.2
  Bottom w0.2: 92.56,133.85 92.46,133.76 87.38,133.76
Net-(D12-A): length 5.2
  Bottom w0.2: 111.61,138.62 111.51,138.52 106.43,138.52
Net-(D13-A): length 5.2
  Bottom w0.2: 130.66,133.85 130.56,133.76 125.48,133.76
Net-(D14-A): length 5.2
  Bottom w0.2: 149.71,129.09 149.61,128.99 144.53,128.99
Net-(D15-A): length 5.2
  Bottom w0.2: 20.71,100.42 25.79,100.42 25.89,100.52
Net-(D16-A): length 5.2
  Bottom w0.2: 49.7,100.52 49.6,100.42 44.52,100.42
Net-(D17-A): length 5.2
  Bottom w0.2: 73.51,105.28 73.41,105.18 68.33,105.18
Net-(D18-A): length 5.2
  Bottom w0.2: 92.56,114.8 92.46,114.71 87.38,114.71
Net-(D19-A): length 5.2
  Bottom w0.2: 111.61,119.57 111.51,119.47 106.43,119.47
Net-(D20-A): length 5.2
  Bottom w0.2: 125.48,114.71 130.56,114.71 130.66,114.8
Net-(D21-A): length 5.2
  Bottom w0.2: 149.71,110.04 149.61,109.94 144.53,109.94
Net-(D22-A): length 5.2
  Bottom w0.2: 25.89,81.47 25.79,81.37 20.71,81.37
Net-(D23-A): length 5.2
  Bottom w0.2: 44.52,81.37 49.6,81.37 49.7,81.47
Net-(D24-A): length 5.2
  Bottom w0.2: 68.33,86.13 73.41,86.13 73.51,86.23
Net-(D25-A): length 5.2
  Bottom w0.2: 87.38,95.66 92.46,95.66 92.56,95.75
Net-(D26-A): length 5.2
  Bottom w0.2: 106.43,100.42 111.51,100.42 111.61,100.52
Net-(D27-A): length 5.2
  Bottom w0.2: 125.48,95.66 130.56,95.66 130.66,95.75
Net-(D28-A): length 5.2
  Bottom w0.2: 149.71,90.99 149.61,90.89 144.53,90.89
Net-(D29-A): length 5.2
  Bottom w0.2: 20.71,62.32 25.79,62.32 25.89,62.42
Net-(D30-A): length 5.2
  Bottom w0.2: 49.7,62.42 49.6,62.32 44.52,62.32
Net-(D31-A): length 5.2
  Bottom w0.2: 68.33,67.08 73.41,67.08 73.51,67.18
Net-(D32-A): length 5.2
  Bottom w0.2: 92.56,76.7 92.46,76.61 87.38,76.61
Net-(D33-A): length 5.2
  Bottom w0.2: 111.61,81.47 111.51,81.37 106.43,81.37
Net-(D34-A): length 5.2
  Bottom w0.2: 125.48,76.61 130.56,76.61 130.66,76.7
Net-(D35-A): length 5.2
  Bottom w0.2: 149.71,71.94 149.61,71.84 144.53,71.84
Net-(D36-A): length 5.2
  Bottom w0.2: 131,40.54 135.4,38 135.53,38.04
Net-(D37-A): length 5.2
  Bottom w0.2: 151.76,26.71 151.62,26.69 147.46,29.6
Net-(D38-A): length 5.2
  Bottom w0.2: 166.86,13.85 166.73,13.84 162.84,17.1
Net-(D39-A): length 5.2
  Bottom w0.2: 161.14,49.09 165.28,46.19 165.42,46.22
Net-(D40-K): length 44.3
  Bottom w0.2: D41.1 167.32,112.75 174.48,105.59 RESET1.2 RESET1.2 189.65,112.27 D40.1
Net-(D42-A): length 5.2
  Bottom w0.2: 182.17,32.09 182.03,32.08 178.16,35.33
Net-(J1-CC1): length 8.7
  Top w0.25: v2(167.7,153.37) 169.95,151.12 v2(171.45,151.12)
  Bottom w0.25: v2(167.7,153.37) 167.11,153.96 167.11,155 J1.A5 ; v2(171.45,151.12) 172.32,151.12
Net-(J1-CC2): length 3.7
  Bottom w0.25: J1.B5 169.96,153.89 170.58,153.22 R2.1
Net-(LED1-DIN): length 20
  Bottom w0.2: LED1.3 21.36,151.47 23.68,151.47 26.43,148.72 LED2.2
Net-(LED2-DIN): length 19.7
  Bottom w0.2: LED2.3 47.19,153.48 LED3.2
Net-(LED3-DIN): length 16.9
  Bottom w0.2: 67.74,154.98 75.76,163 LED4.2
Net-(LED4-DIN): length 15
  Bottom w0.2: LED4.3 90.05,167.77 100.39,167.77
Net-(LED5-DIN): length 18.8
  Bottom w0.2: LED5.3 107.14,170.57 108.91,170.57 110.86,168.62 110.86,166.02 113.87,163 LED6.2
Net-(LED6-DIN): length 19.5
  Bottom w0.2: LED7.2 132.94,158.24 129.98,161.2 129.98,164.5 128.58,165.9 125.85,165.9 124.89,164.93 LED6.3
Net-(LED8-DOUT): length 42.3
  Bottom w0.2: LED8.2 13.94,128.95 13.94,123.69 15.17,122.46 21.52,122.46 32.07,133.01 42.82,133.01 43.92,131.9 LED9.3
Net-(LED10-DIN): length 45.8
  Bottom w0.2: 67.74,135.93 67.74,136.53 66.45,137.82 59.63,137.82 58.25,136.44 58.25,134.43 46,122.18 39.22,122.18 37.67,123.73 37.67,128.86 LED9.2
Net-(LED10-DOUT): length 47
  Bottom w0.2: LED10.2 61.55,133.69 61.55,128.4 63.02,126.93 67.16,126.93 74.03,133.8 74.03,137.72 77.41,141.1 77.41,146.04 78.73,147.36 85.5,147.36 86.79,146.07 LED11.3
Net-(LED11-DOUT): length 43
  Bottom w0.2: LED12.3 105.84,150.85 104.33,152.36 96.79,152.36 96.31,151.88 96.31,146.77 86.03,136.49 82.21,136.49 80.52,138.18 80.52,143.14 LED11.2
Net-(LED12-DOUT): length 36
  Bottom w0.2: 100.39,148.72 99.34,147.67 99.34,143.34 101.44,141.24 110.61,141.24 116.9,147.53 123.4,147.53 124.89,146.04 LED13.3
Net-(LED13-DOUT): length 35.4
  Bottom w0.2: LED13.2 118.53,143.05 118.53,138.25 120.21,136.57 129.6,136.57 135.16,142.13 143.04,142.13 143.94,141.23 LED14.3
Net-(LED15-DIN): length 19.7
  Bottom w0.2: LED16.2 28.53,110.62 26.13,113.02 21.01,113.02 LED15.3
Net-(LED16-DIN): length 19.7
  Bottom w0.2: LED17.2 47.19,115.38 LED16.3
Net-(LED17-DIN): length 16.9
  Bottom w0.2: LED18.2 78.33,124.9 71.21,117.78 68.64,117.78 67.74,116.88
Net-(LED18-DIN): length 15
  Bottom w0.2: LED18.3 90.05,129.67 100.39,129.67
Net-(LED19-DIN): length 18.5
  Bottom w0.2: LED20.2 114.53,124.9 110.66,128.78 110.66,131.33 109.78,132.21 106.88,132.21 LED19.3
Net-(LED20-DIN): length 18.1
  Bottom w0.2: LED21.2 134.3,120.14 129.76,124.68 129.76,126.18 128.29,127.65 126.13,127.65 LED20.3
Net-(LED22-DOUT): length 42.6
  Bottom w0.2: LED23.3 43.92,93.75 42.9,94.78 35.64,94.78 25.01,84.15 15.48,84.15 13.58,86.05 13.58,90.49 LED22.2
Net-(LED23-DOUT): length 46.7
  Bottom w0.2: LED23.2 37.55,90.64 37.55,85.83 39.26,84.12 47.08,84.12 58.42,95.46 58.42,98.42 59.65,99.65 67.14,99.65 67.74,99.05 67.74,97.83
Net-(LED24-DOUT): length 47.7
  Bottom w0.2: LED24.2 61.46,95.5 61.46,90.53 63.09,88.9 68.67,88.9 73.98,94.21 73.98,99.44 77.44,102.9 77.44,107.84 78.71,109.11 85.92,109.11 86.79,108.24 LED25.3
Net-(LED25-DOUT): length 42.5
  Bottom w0.2: LED26.3 105.84,113 104.94,113.9 97.59,113.9 96.31,112.62 96.31,107.73 87.02,98.44 81.94,98.44 80.87,99.51 80.87,105.39 LED25.2
Net-(LED26-DOUT): length 36.5
  Bottom w0.2: LED27.3 124.89,108.11 123.65,109.35 113.04,109.35 107.02,103.33 107.02,103.24 101.21,103.24 98.9,105.55 98.9,109.13 100.39,110.62
